# Altium PCB 16x16_ble.PcbDoc (continued)
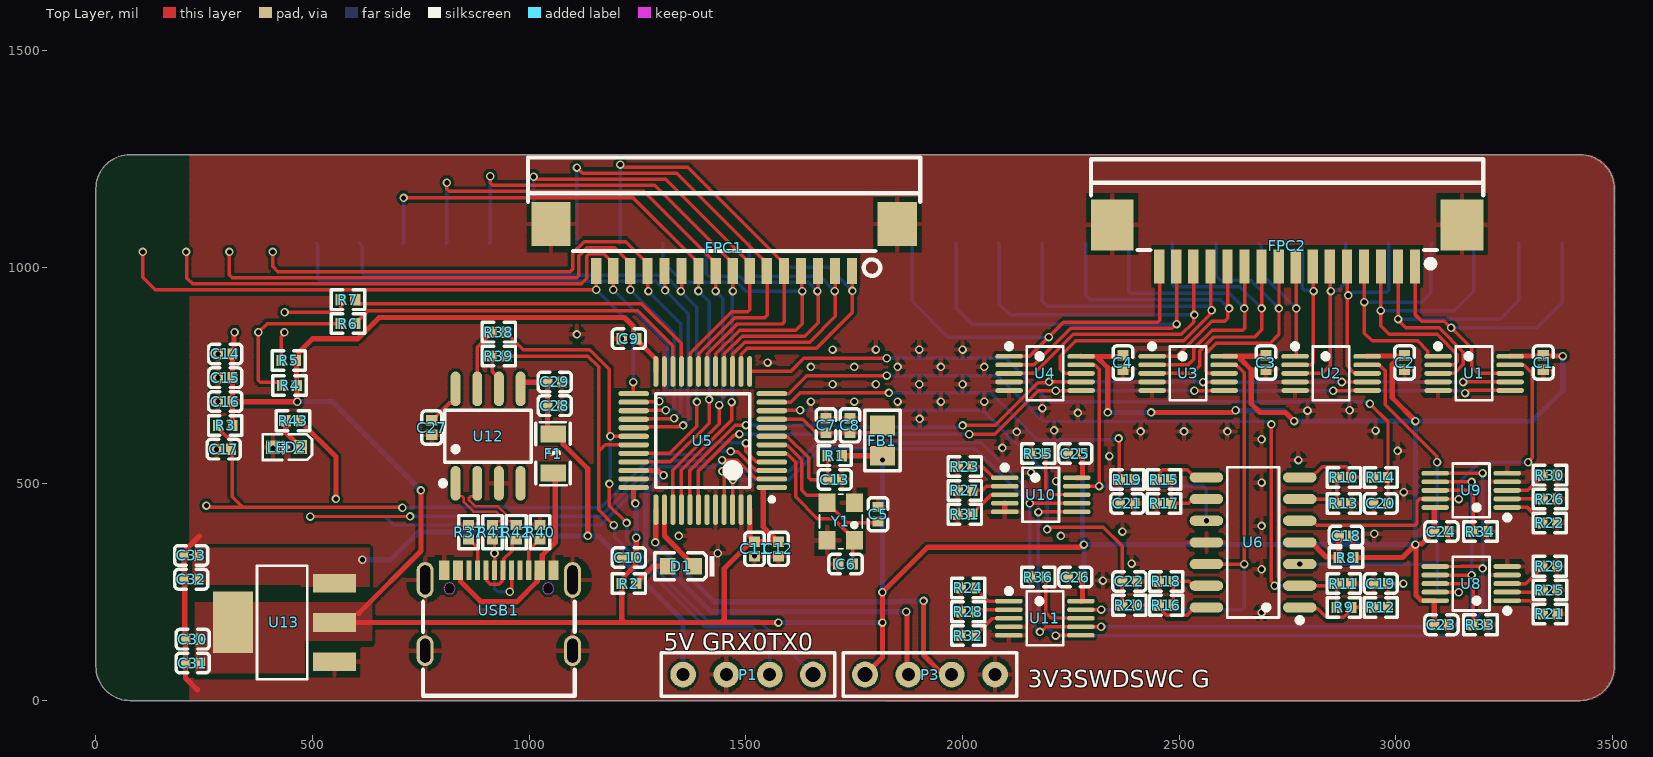
[diagram p0: Top Layer view]
## Nets (pads, with @x,y where several pads share a name; then routed paths per layer and width w, separated by ;. In a path a pad name is that pad's centre, name@x,y a point inside that pad or via, vN(x,y) a via of type N, cw(c..) or ccw(c..) an arc to the next point about the centre after c; other vN are vias at no path point)
ADC1: C22.2 R20.2 U5.10 | length 1153.9
  Top Layer w8: U5.10 1560.39,669.45 1624.45,669.45 v1(1625,670) ; v1(2195,395) 2198.16,395 2203.16,400 2325,400 2368.27,356.73 C22.2 R20.2
  Bottom Layer w8: v1(1625,670) 2047,670 2195,522 v1(2195,395)
ADC2: C21.2 R19.2 U5.11 | length 1006.1
  Top Layer w8: U5.11 1603.58,688.58 1625,710 v1(1830,710) ; v1(2360,605) 2361.63,603.37 2361.63,511.63 R19.2 C21.2
  Bottom Layer w8: v1(1830,710) 2065,710 2172.68,602.32 2349.47,602.32 2349.91,602.76 2357.76,602.76 v1(2360,605)
ADC3: C19.2 R12.2 U5.12 | length 1982.3
  Top Layer w8: U5.12 1560.06,708.48 1598.48,708.48 1640,750 v1(1825,750) ; v1(2712.5,637.5) 2712.5,275.53 2720,268.03 v1(2720,265) ; R12.2 C19.2 v1(3017.41,270)
  Bottom Layer w8: v1(1825,750) 2081.12,750 2187.12,644 2702.84,644 2709.34,637.5 v1(2712.5,637.5) ; v1(2720,265) 3011.84,265 3016.84,270 v1(3017.41,270)
ADC4: C20.2 R14.2 U5.13 | length 1734.8
  Top Layer w8: U5.13 1603.2,759.45 1633.75,790 v1(1825,790) ; v1(2940,685) 2981.73,643.27 R14.2 C20.2
  Bottom Layer w8: v1(1825,790) 2100,790 2200.16,689.84 2932,689.84 2936.84,685 v1(2940,685)
C1: FPC1.1 H2.1 U5.14 | length 612.3
  Top Layer w8: U5.14 1488.98,798.98 1503,813 1663,813 1745.94,895.94 v1(1745.94,945.38) FPC1.1@1745.94,1004.81
  Bottom Layer w8: H2.1@1601.97,1000.31 1691.01,1000.31 v1(1745.94,945.38)
C2: FPC1.2 H2.2 U5.15 | length 715.7
  Top Layer w8: U5.15 1470.02,760.18 1470.02,799.82 1497.2,827 1647,827 1706.57,886.57 1706.57,945 FPC1.2@1706.57,1004.81
  Bottom Layer w8: H2.2 1508.15,983.53 1512.84,978.84 1671.16,978.84 v1(1705,945)
C3: FPC1.3 H2.3 U5.16 | length 764.4
  Top Layer w8: U5.16 1450.33,760.18 1450.33,799.93 1491.4,841 1636,841 1667.2,872.2 1667.2,945 FPC1.3@1667.2,1004.81
  Bottom Layer w8: H2.3 1408.15,983.69 1412.84,979 1486,979 1500.16,964.84 1645.16,964.84 v1(1665,945)
C4: FPC1.4 H2.4 U5.17 | length 784
  Top Layer w8: U5.17 1430.65,760.18 1430.65,800.05 1485.6,855 1615,855 1630,870 v1(1630,945) 1628.51,946.49 1628.51,989.9 FPC1.4
  Bottom Layer w8: H2.4 1308.15,1012.68 1355.83,965 1480,965 1500,945 v1(1630,945)
C5: FPC1.5 H2.5 U5.18 | length 1052.4
  Top Layer w8: v1(1210,1236.84) 1213.16,1236.84 1219,1231 1365.76,1231 1587.66,1009.1 FPC1.5 ; U5.18 1410.96,760.18 1410.96,800.16 1479.8,869 1583.78,869 1588.46,873.69 FPC1.5@1588.46,1004.81
  Bottom Layer w8: H2.5 1210,1056.85 v1(1210,1236.84)
C6: FPC1.6 H2.6 U5.19 | length 1074.7
  Top Layer w8: v1(1110,1230) 1123,1217 1340.39,1217 1548.29,1009.1 FPC1.6 ; U5.19 1391.28,760.18 1391.28,800.28 1474.01,883 1543,883 1549.09,889.09 FPC1.6@1549.09,1004.81
  Bottom Layer w8: H2.6 1110,1056.85 v1(1110,1230)
C7: FPC1.7 H2.7 U5.20 | length 1064.9
  Top Layer w8: v1(1010,1208.84) 1013.16,1208.84 1019,1203 1315.02,1203 1508.92,1009.1 FPC1.7 1508.92,901.69 1504.23,897 1467,897 1371.59,801.59 1371.59,760.18 U5.20
  Bottom Layer w8: H2.7 1010,1056.85 v1(1010,1208.84)
C8: FPC1.8 H2.8 U5.40 | length 1438.7
  Top Layer w8: v1(910,1210) 910,1195 916,1189 1289.65,1189 1469.55,1009.1 FPC1.8 ; U5.40 1351.18,531.18 1466.87,646.87 v1(1466.87,688.81) ; v1(1470,945) 1470,991.03 1470.35,991.39 FPC1.8@1470.35,1004.81
  Bottom Layer w8: H2.8 910,1056.85 v1(910,1210) ; v1(1466.87,688.81) 1468.44,690.38 1468.44,943.44 v1(1470,945)
C9: FPC1.9 H2.9 U5.39 | length 1483.6
  Top Layer w8: v1(810,1195) 810,1180 815,1175 1264.28,1175 1430.18,1009.1 FPC1.9 ; U5.39 1331.5,531.5 1438.47,638.47 v1(1438.47,681.65) ; v1(1430,945) 1430,990.4 1430.98,991.39 FPC1.9@1430.98,1004.81
  Bottom Layer w8: H2.9 810,1056.85 v1(810,1195) ; v1(1430,945) 1446.56,928.44 1446.56,692.9 1438.47,684.81 v1(1438.47,681.65)
C10: FPC1.10 H2.10 U5.33 | length 1440.2
  Top Layer w8: v1(710,1160) 710.84,1160.84 1239.07,1160.84 1390.81,1009.1 FPC1.10 1390.61,991.18 1390.61,945.36 v1(1390.4,945.16) ; U5.33 1325.79,550.79 1415,640 v1(1415,695)
  Bottom Layer w8: H2.10 710,1056.85 v1(710,1160) ; v1(1390.4,945.16) 1415,920.56 v1(1415,695)
C11: FPC1.11 H2.11 U5.32 | length 1369.9
  Top Layer w8: U5.32 1324.51,570.47 1387.02,632.98 v1(1387.02,689.36) ; v1(1350,945) 1351.44,946.44 FPC1.11
  Bottom Layer w8: H2.11 615,1048.15 615,986.46 619.69,981.78 1313.22,981.78 v1(1350,945) 1387.02,907.98 v1(1387.02,689.36)
C12: FPC1.12 H2.12 U5.29 | length 1396.7
  Top Layer w8: U5.29 1271.5,629.53 1273.7,631.72 1343.83,631.72 1344.87,632.76 1352.76,632.76 v1(1355,635) ; FPC1.12 1312.8,990.65 1312.8,947.2 v1(1313.53,946.47)
  Bottom Layer w8: H2.12 512.22,1050.92 512.22,972.78 517.22,967.78 1292.22,967.78 v1(1313.53,946.47) 1367.18,892.82 1367.18,647.18 v1(1355,635)
C13: FPC1.13 H2.13 U5.28 | length 1464.2
  Top Layer w8: v1(408.15,1035.31) 408.15,1001.85 420.07,989.93 1094.84,989.93 1099.91,995 1099.91,1031.79 1127.04,1058.91 1222.89,1058.91 1272.7,1009.1 FPC1.13 1273.85,990.23 1273.85,946.15 v1(1275,945) ; U5.28 1241.55,649.81 1332.7,649.81 v1(1334.45,651.57)
  Bottom Layer w8: v1(1275,945) 1350,870 1350,667.21 1334.45,651.66 v1(1334.45,651.57)
C14: FPC1.14 H2.14 U5.27 | length 1521.6
  Top Layer w8: v1(308.15,1035.31) 308.15,982.78 315,975.93 1109.22,975.93 1113.91,980.62 1113.91,1025.99 1132.84,1044.91 1197.52,1044.91 1233.33,1009.1 FPC1.14 v1(1233.33,947.93) ; U5.27 1241.5,669.45 1314.45,669.45 v1(1315,670)
  Bottom Layer w8: v1(1233.33,947.93) 1334.12,847.14 1334.12,675.82 1329.44,671.13 1316.13,671.13 v1(1315,670)
C15: FPC1.15 H2.15 U5.26 | length 1556.1
  Top Layer w8: v1(208.15,1035.31) 210,1033.46 210,975 223.07,961.93 1119.71,961.93 1132.78,975 1132.78,1025.06 1138.63,1030.91 1172.15,1030.91 1193.96,1009.1 FPC1.15 v1(1193.96,947.93) ; U5.26 1241.67,689.31 1298.46,689.31 v1(1300,690.85)
  Bottom Layer w8: v1(1193.96,947.93) 1320,821.89 1320,710.89 v1@1300,690.89
C16: FPC1.16 H2.16 U5.25 | length 1435.8
  Top Layer w8: v1(108.15,1035.31) 108.15,976.85 137.07,947.93 v1(1154.59,947.93) FPC1.16 ; v1(1240,735) 1240,709.21 U5.25
  Bottom Layer w8: v1(1154.59,947.93) 1240,862.52 v1(1240,735)
C_A: U1.7 U2.7 U3.7 U4.7 U5.41 | length 2253.3
  Top Layer w8: U5.41 1370.87,530.87 1475.68,635.68 v1(1499.96,635.68) ; v1(2000,635) 2075.01,635 2173.75,733.73 2197.77,733.73 v1(2199.59,735.55) ; v1@2200,735 2200.42,735.42 2273.37,735.42 U4.7 ; v1(2555,735) 2555.15,735.15 2603.34,735.15 U3.7 ; v1(2875.15,735.15) 2933.34,735.15 U2.7 ; v1(3155.15,735.15) 3155.22,735.22 3263.27,735.22 3263.34,735.15 U1.7
  Bottom Layer w8: v1(1499.96,635.68) 1703.49,635.68 1708.86,630.31 1992.15,630.31 1996.84,635 v1(2000,635) ; v1(2199.59,735.55) 2199.86,735.27 2554.73,735.27 v1(2555,735) 2875,735 v1(2875.15,735.15) v1(3155.15,735.15)
C_B: U1.6 U2.6 U3.6 U4.6 U5.42 | length 2250.6
  Top Layer w8: U5.42 1390.55,530.55 1472.64,612.64 1482.67,612.64 v1(1484.91,614.87) ; v1(2015.49,614.51) 2074.32,614.51 2174.81,715 v1(2215,715) 2215.3,715.3 2273.19,715.3 U4.6 ; v1(2535,715) 2535.16,715.16 2603.05,715.16 U3.6 ; v1(2855,715) 2888.16,715 2888.76,715.6 U2.6 ; v1(3159.86,709.64) 3163.02,709.64 3168.99,715.6 U1.6
  Bottom Layer w8: v1(1484.91,614.87) 1485.27,614.51 v1(2015.49,614.51) ; v1(2215,715) v1(2535,715) v1(2855,715) 3151.34,715 3156.7,709.64 v1(3159.86,709.64)
CH340_N: R42.1 U12.2 | length 189.6
  Top Layer w6: U12.2 880,479.1 872.33,471.44 864.52,471.44 861,467.92 861,462.95 875.86,448.09 928.07,448.09 948.5,427.66 948.5,417.72 952.01,414.2 961.19,414.2 R42.1
CH340_P: R41.1 U12.1 | length 189.6
  Top Layer w6: U12.1 830,479.1 837.67,471.44 845.49,471.44 849,467.92 849,457.98 870.89,436.09 923.1,436.09 936.5,422.69 936.5,417.72 932.99,414.2 923.81,414.2 R41.1
GND: BLT1.1 C1.2 C2.2 C3.2 C4.2 C5.2 C6.2 C7.1 C8.2 C9.2 C10.2 C11.2 C12.2 C13.2 C14.1 C15.1 C16.1 C17.1 C18.2 C19.1 C20.1 C21.1 C22.1 C23.2 C24.2 C25.2 C26.2 C27.2 C28.1 C29.1 C30.1 C31.1 C32.1 C33.1 FPC1.17 FPC1.18 FPC2.17 FPC2.18 LED2.2 P1.2 P3.1 R11.1 R13.1 R17.1 R18.1 R21.1 R22.1 R23.1 R24.1 R25.2 R26.2 R27.2 R28.2 R29.2 R30.2 R31.2 R32.2 R33.2 R34.2 R35.2 R36.2 R37.2 R40.2 U1.4 U1.5 U2.4 U2.5 U3.4 U3.5 U4.4 U4.5 U5.8 U5.23 U5.35 U5.44 U5.47 U6.11 U8.4 U8.5 U9.4 U9.5 U10.4 U10.5 U11.4 U11.5 U12.3 U13.1 USB1.1 USB1.2 USB1.3 USB1.4 USB1.A1B12 USB1.B1A12 Y1.2 Y1.4 | length 402.2
  Top Layer w12: 234,25 206.81,52.19 C31.1 C30.1 205.04,143.35 205.04,278.23 C32.1 C33.1 209.08,340.81 209.08,350.08 239,380 ; U10.5 U10.4
  other v1: 2690,203 2324,277 2690,303 2390,316 1520,333.27 1435,340 1345,380 2227,380.16 2950,385 2369,390 2690,403 3018,481 2690,503 2216,506 2158,526 2775,555 2339,564 3004,576 278.27,580 408.55,582.31 2092,583 2690,603 2125.04,620.02 2411,621 2511,621 2611,621 2953,623 2211.16,623.53 1901,650.16 2266,663.84 2796,669 2893,670 2184.09,675.09 281.54,690 1650,690 1750,690 1850,690 1950,690 2050,690 1700,730 1800,730 1900,730 2000,730 281.54,745 1650,770 1750,770 1850,770 1950,770 2050,770 1550,780 281.54,800 1700,810 1800,810 1900,810 2000,810 1213.27,835 1110,845
HC04_KEY-: BLT1.12 U5.3 | length 1145.7
  Top Layer w8: v1(494.53,424.53) 494.76,424.76 724.76,424.76 v1(725,425) ; v1(1465,574.84) 1465.6,574.25 1480.75,574.25 1523.17,531.83 1559.11,531.83 U5.3
  Bottom Layer w8: v1(725,425) 725.16,425.16 1165.16,425.16 1293.84,553.84 1413.84,553.84 1434.84,574.84 v1(1465,574.84)
HC04_RESET: BLT1.16 C17.2 R3.1 U5.4 | length 1613.5
  Top Layer w8: v1(255,450) 257.24,447.76 263.5,447.76 265.53,445.73 339.26,445.73 ; R3.1 289.35,627.19 289.35,621.91 311.14,600.11 311.14,580.59 C17.2 ; C17.2@314.23,582.5 314.23,470.77 339.26,445.73 ; v1(707.22,445) 706.49,445.73 339.26,445.73 ; v1(1500,594.09) 1500,575 1523.48,551.52 1559.11,551.52 U5.4
  Bottom Layer w8: v1(707.22,445) 732.5,445 733.24,445.73 948.85,445.73 949.59,445 1165.2,445 1288.04,567.84 1405,567.84 1431.84,594.68 1499.4,594.68 v1(1500,594.09)
HC04_RXD: BLT1.4 R5.1 R7.2 | length 223.4
  Top Layer w8: R5.1 428.27,840.11 435,846.84 v1(435,850) ; v1(435.47,896.22) 560.31,896.22 565,900.91 R7.2
HC04_STA: BLT1.9 U5.2 | length 978.5
  Top Layer w8: v1(1445,555) 1480,555 1522.85,512.15 1559.11,512.15 U5.2
  Bottom Layer w8: BLT1.9 671.69,420.84 687.38,405.16 1164.96,405.16 1182.3,422.5 1182.5,422.5 1299.84,539.84 1428.13,539.84 1443.29,555 v1(1445,555)
HC04_TXD: BLT1.3 R4.1 R6.2 | length 369
  Top Layer w8: R4.1 422.82,734.62 379.69,734.62 375,739.3 v1(375,850) 395,870 R6.2
IN_CH1+: U1.9 U6.5 U9.9 | length 911.1
  Top Layer w8: U6.5 2807.44,415 2817.44,405 3043.98,405 3048.66,409.69 3048.66,458.66 3055.3,465.3 U9.9 3090.71,465.15 3144.85,465.15 v1(3145,465) ; U1.9 3264.07,774.13 3295.87,774.13 3315,755 3315,560.53 3305,550.53 v1(3305,550)
  Bottom Layer w8: v1(3145,465) 3145,502.92 3192.08,550 v1(3305,550)
IN_CH2+: U2.9 U6.3 U8.9 | length 1027.2
  Top Layer w8: U2.9 2960.71,774.7 2964.91,770.5 2966.31,770.5 2975.39,761.42 2975.39,682.86 3094.18,564.07 3094.18,550.82 v1(3095,550) ; U8.9 3090.71,250.15 3144.85,250.15 v1(3145,250)
  Bottom Layer w8: v1(2778.02,315) 3095,315 ; v1(3095,550) 3095,315 ; v1(3145,250) 3099.69,250 3095,254.69 3095,315
IN_CH3+: U3.9 U6.12 U11.9 | length 1062.1
  Top Layer w8: U11.9 2273.25,209.85 2319.85,209.85 v1(2320,210) ; U6.12 v1(2650,315) 2650,756.81 2636.31,770.5 2634.91,770.5 2630.71,774.7 U3.9
  Bottom Layer w8: v1(2320,210) 2645,210 2650,215 v1(2650,315)
IN_CH4+: U4.9 U6.10 U10.9 | length 691.1
  Top Layer w8: U10.9 2263.64,494.85 2314.85,494.85 v1(2315,495) 2315,708.79 2315.39,709.18 2315.39,764.92 2306.19,774.13 2274.07,774.13 U4.9
  Bottom Layer w8: v1(2315,495) 2555.31,495 2562.76,487.55 v1(2562.76,415)
LED_GREEN: D1.K U5.38 | length 159
  Top Layer w12: U5.38 1311.81,379.49 1380.31,310.98 D1.K
M_A: U5.46 U8.7 U9.7 U10.7 U11.7 | length 2731.3
  Top Layer w8: U5.46 1469.65,440.91 1469.65,509.13 v1(1470,509.48) ; v1(2155,455) 2155.15,455.15 2263.34,455.15 U10.7 ; v1(2178.47,158.47) 2181.63,158.47 2193.31,170.15 2272.95,170.15 U11.7 v1(2319.7,170.3) ; U8.7 v1(3174.7,289.7) v1@3175,290 ; U9.7 3090.63,504.63 3174.63,504.63 v1(3174.7,504.56)
  Bottom Layer w8: v1(1470,509.48) 1599.48,509.48 1670.67,580.67 2029.33,580.67 v1(2155,455) 2155,181.94 v1(2178.47,158.47) ; v1(2319.7,170.3) 3134.7,170.3 3174.7,210.3 v1(3174.7,289.7) v1(3174.7,504.56)
M_B: U5.45 U8.6 U9.6 U10.6 U11.6 | length 2926.9
  Top Layer w8: v1(1445.68,529.32) 1445.68,526.16 1449.61,522.23 U5.45 ; v1(2175,435) 2175.3,435.3 2263.19,435.3 U10.6 ; v1(2215,150) 2215.3,150.3 2272.8,150.3 U11.6 ; U8.6 3150.56,309.4 3150.7,309.54 3195.46,309.54 v1(3200,305) ; U9.6 3199.4,524.4 v1(3200,525)
  Bottom Layer w8: v1(1445.68,529.32) 1599.52,529.32 1664.87,594.67 2043.39,594.67 2175,463.06 v1(2175,435) 2175,190 v1(2215,150) 3145,150 3200,205 v1(3200,305) v1(3200,525)
NetBLT1_11: BLT1.11 R43.2 | length 214.2
  Top Layer w12: R43.2 471.75,644.76 553.83,562.68 v1(553.83,465.58)
NetC7_2: C7.2 C8.1 FB1.2 U5.9 | length 274.9
  Top Layer w8: U5.9 1631.42,649.21 1662.36,618.27 C7.2 C8.1 1798.23,618.27 FB1.2
NetC13_1: C13.1 R1.1 U5.7 | length 251.3
  Top Layer w8: U5.7 1560.57,609.11 1595.69,609.11 1644.8,560 1644.8,514.69 1649.49,510 C13.1 R1.1
NetC18_1: C18.1 R8.2 U6.4 | length 151.6
  Top Layer w12: U6.4 2805.04,365 2838.46,331.58 2866.68,331.58 2868.27,333.17 C18.1
NetC27_1: C27.1 U12.8 | length 99.6
  Top Layer w8: C27.1 775.98,646.73 817.05,687.8 823.26,687.8 830,694.54 U12.8
NetD1_A: D1.A R2.2 | length 90.1
  Top Layer w12: R2.2 1246.73,270.98 1285.75,310 D1.A
NetF1_2: F1.2 USB1.A4B9 USB1.B4A9 | length 507.2
  Top Layer w12: USB1.A4B9 841.2,295.2 841.2,275.28 888.32,228.16 971.48,228.16 1018.6,275.28 1018.6,295.2 1030.2,306.8 1030.2,335.2 1060,365 1060,511.33 F1.2@1069.4,511.33
NetLED2_1: LED2.1 R43.1 | length 74.4
  Top Layer w12: R43.1 438.28,618.33 LED2.1
NetR9_1: R9.1 R11.2 U6.2 | length 142.3
  Top Layer w8: U6.2 2858.27,265 R11.2 R9.1
NetR9_2: R9.2 R12.1 U6.1 | length 192.2
  Top Layer w8: U6.1 2780.88,212.14 2819.72,212.14 2839.66,192.2 2879.22,192.2 2888.92,201.9 2888.92,207.19 R9.2 R12.1
NetR10_1: R10.1 R13.2 U6.6 | length 149
  Top Layer w8: U6.6 2854.25,465 R13.2@2863.27,455.98 ; R13.2 R13.2@2863.27,455.98 ; R10.1 R13.2@2863.27,455.98
NetR10_2: R10.2 R14.1 U6.7 | length 198.7
  Top Layer w8: U6.7 2805.04,515 2829.84,539.8 2885.52,539.8 2890.2,535.11 2890.2,521.53 R10.2 R14.1
NetR15_1: R15.1 R17.2 U6.9 | length 140.2
  Top Layer w8: R15.1 R17.2 2521.57,455 2531.57,465 U6.9
NetR15_2: R15.2 R19.1 U6.8 | length 188.9
  Top Layer w8: R19.1 R15.2 2455.89,517.62 2455.89,527.95 2460.74,532.8 2497.69,532.8 2497.84,532.64 2518.11,532.64 2535.75,515 U6.8
NetR16_1: R16.1 R18.2 U6.13 | length 135.2
  Top Layer w8: R16.1 R18.2 2521.57,275 2531.57,265 U6.13
NetR16_2: R16.2 R20.1 U6.14 | length 181
  Top Layer w8: R20.1 R16.2 2461.08,212.19 2461.08,206.81 2470.69,197.2 2517.95,197.2 2535.75,215 U6.14
NetR21_2: R21.2 U8.1 | length 95.2
  Top Layer w8: U8.1 3309.05,230.6 3338.66,200.98 R21.2
NetR22_2: R22.2 U9.1 | length 96.8
  Top Layer w8: U9.1 3303.65,445.6 3338.27,410.98 R22.2
NetR23_2: R23.2 U10.1 | length 85.8
  Top Layer w8: R23.2 2045.94,540 2071.54,514.4 U10.1
NetR24_2: R24.2 U11.1 | length 98.5
  Top Layer w8: R24.2@2035.21,254.4 R24.2 2029.61,259.02 2059.22,229.4 U11.1
NetR25_1: R25.1 U8.2 | length 83.8
  Top Layer w8: U8.2 3333.96,250.3 R25.1
NetR26_1: R26.1 U9.2 | length 82
  Top Layer w8: U9.2 3338.36,465.3 R26.1
NetR27_1: R27.1 U10.2 | length 79.2
  Top Layer w8: R27.1 2045.94,485 2055.06,494.13 2096.72,494.13 U10.2
NetR28_1: R28.1 U11.2 | length 78.8
  Top Layer w8: R28.1 2034.7,209.7 U11.2
NetR29_1: R29.1 U8.3 | length 98.7
  Top Layer w8: U8.3 3299.25,270 3338.27,309.02 R29.1
NetR30_1: R30.1 U9.3 | length 97
  Top Layer w8: U9.3 3304.65,485 3330.85,511.2 3338.66,519.02 R30.1
NetR31_1: R31.1 U10.3 | length 94.4
  Top Layer w8: R31.1 2022.13,430.98 2065.57,474.43 2096.72,474.43 U10.3
NetR32_1: R32.1 U11.3 | length 94
  Top Layer w8: R32.1 2030,150.98 2068.44,189.43 2106.33,189.43 U11.3
NetR33_1: R33.1 U8.8 | length 174.9
  Top Layer w8: U8.8 3165,270 3178.27,256.73 R33.1
NetR34_1: R34.1 U9.8 | length 174.9
  Top Layer w8: U9.8 3165,485 3178.27,471.73 R34.1
NetR35_1: R35.1 U10.8 | length 159
  Top Layer w8: R35.1 2191.73,488.27 2204.43,475.57 2262.92,475.57 U10.8
NetR36_1: R36.1 U11.8 | length 168.6
  Top Layer w8: R36.1 2191.73,203.27 2204.43,190.57 2272.53,190.57 U11.8
NetR37_1: R37.1 USB1.A5 | length 80.1
  Top Layer w8: R37.1 860.98,371.93 880.7,352.21 USB1.A5
NetR38_1: R38.1 U12.7 | length 144.4
  Top Layer w8: U12.7 880,815.75 913.27,849.02 R38.1
NetR39_1: R39.1 U12.6 | length 82.6
  Top Layer w8: R39.1 914.18,794.09 914.18,760 930,744.18 U12.6
NetR40_1: R40.1 USB1.B5 | length 82.4
  Top Layer w8: USB1.B5 998.8,346.71 1024.02,371.93 R40.1
NetR41_2: R41.2 USB1.A6 USB1.B6 | length 248.8
  Top Layer w8: R41.2@915.98,371.93 R41.2 919.86,367.07 v1(919.86,340) v1@917.62,342.24 ; v1@919.98,339.98 919.98,301.12 USB1.A6 ; v1(955,251) 955,254.16 959.4,258.56 USB1.B6
  Bottom Layer w8: v1(919.86,340) 919.86,258.3 927.16,251 v1(955,251)
NetR42_2: R42.2 USB1.A7 USB1.B7 | length 178.4
  Top Layer w8: USB1.B7 902.3,299.1 902.3,276.11 910.06,268.35 930.14,268.35 937.8,276.01 937.8,299.1 USB1.A7 941.6,302.9 941.6,326.92 959.68,345 961.2,346.53 961.2,364.12 969.02,371.93 R42.2 R42.2@970.98,371.93
OSC_IN: C6.1 U5.5 Y1.1 | length 378.2
  Top Layer w8: U5.5 1560.57,569.74 1595.26,569.74 1615,550 1615,470 1665,420 1702.33,420 1726.33,396 1726.44,396 1750.47,371.97 Y1.1 1746.73,366.26 C6.1
OSC_OUT: C5.1 U5.6 Y1.3 | length 364.4
  Top Layer w8: U5.6 1560.57,589.43 1595.57,589.43 1629,556 1629,486 1640.73,474.27 1671.8,474.27 1687.48,458.58 1687.48,454.65 1703.17,438.96 1705.13,438.96 1734.09,410 1801.73,410 C5.1
PA9(USART0_TXD): P1.4 R38.2 U5.30 | length 1302
  Top Layer w8: R38.2 946.73,849.02 985.75,810 1140,810 1185,765 1185,620.53 1185.11,620.42 1185.11,612.24 v1(1187.34,610) ; v1(1185,500) 1185,449.89 v1(1224.89,410) ; v1@1185.08,609.92 1240.87,609.92 U5.30
  Bottom Layer w8: v1(1185,500) 1187.34,502.34 v1(1187.34,610) ; v1(1224.89,410) 1224.89,369.91 1410.8,184 1531,184 P1.4
PA10(USART0_RXD): P1.3 R39.2 U5.31 | length 1248.9
  Top Layer w8: R39.2 1135,795 1160,770 1160,575 ; v1(1195,405) 1160,440 1160,575 ; U5.31 1175.16,590.16 1160,575
  Bottom Layer w8: v1(1195,405) 1196.84,403.16 1196.84,378.16 1405,170 1515,170 1555,130 P1.3
PB10(USART2_TX): R7.1 U5.21 | length 859.6
  Top Layer w8: R7.1 598.46,924.02 606.28,916.2 1258.8,916.2 1350.45,824.55 1350.45,760.18 U5.21
PB11(USART2_RX): R6.1 U5.22 | length 838.8
  Top Layer w8: R6.1 598.46,870.98 606.28,878.8 607.26,878.8 628.46,900 1250,900 1331.5,818.5 U5.22
R1: FPC2.1 H1.1 U1.8 | length 818.4
  Top Layer w8: FPC2.1@3045.14,991.39 3045.14,889.86 3060,875 3111.35,875 3126.03,860.32 v1(3127.56,860.32) ; v1@3126.1,858.86 3129.02,858.86 3175.26,812.62 3175.26,769.74 3190,755 U1.8
  Bottom Layer w8: v1(3127.56,860.32) 3325.32,860.32 3383.74,918.74 H1.1
R2: FPC2.2 H1.2 U1.3 | length 817.9
  Top Layer w8: v1(3005,880.16) 3005,878.16 3023.16,860 3099.81,860 3155.69,804.13 3155.69,775.89 3135.37,755.57 3097.87,755.57 U1.3 ; v1@3005.77,880.16 FPC2.2@3005.77,991.39
  Bottom Layer w8: v1(3005,880.16) 3240.16,880.16 3283.74,923.74 H1.2
R3: FPC2.4 H1.4 U1.1 | length 619.9
  Top Layer w8: FPC2.4@2927.03,991.39 v1(2927.03,919.68) 2927.03,847.97 2945,830 3050,830 3073.87,806.13 3073.87,795.79 3075.26,794.4 U1.1
  Bottom Layer w8: v1(2927.03,919.68) 3059.68,919.68 3080,940 3080,1051.26 H1.4
R4: FPC2.3 H1.3 U1.2 | length 738.7
  Top Layer w8: FPC2.3@2965,989.99 2965.3,989.69 2965.3,900.3 2965,900 2965,865 2984.99,845.01 3095.01,845.01 3141.69,798.33 3141.69,781.69 3134.7,774.7 U1.2
  Bottom Layer w8: v1(2965,899.84) 2965.16,900 3135,900 3180,945 3180,1051.26 H1.3
R5: FPC2.5 H1.5 U2.8 | length 479
  Top Layer w8: FPC2.5@2887.66,991.39 2887.66,772.22 2904.3,755.57 2932.92,755.57 U2.8
  Bottom Layer w8: v1(2890,935) 2893.16,935 2900.16,942 2979.05,942 2983.74,946.69 H1.5
R6: FPC2.6 H1.6 U2.3 | length 439.4
  Top Layer w8: U2.3 2830,755 2848.29,773.29 FPC2.6@2848.29,991.39
  Bottom Layer w8: v1(2850,945) 2852.24,947.24 2867.24,947.24 2883.74,963.74 H1.6
R7: FPC2.8 H1.8 U2.1 | length 384.2
  Top Layer w8: U2.1 2768.16,794.4 2769.55,795.79 FPC2.8@2769.55,991.39
  Bottom Layer w8: H1.8 2689.72,1049.03 2689.72,985.28 v1(2770,905)
R8: FPC2.7 H1.7 U2.2 | length 389.1
  Top Layer w8: U2.2 2805.01,774.7 2809.7,779.39 2809.7,990.6 FPC2.7@2808.92,991.39
  Bottom Layer w8: H1.7 2783.74,951.53 2788.43,946.84 2808.16,946.84 v1(2810,945)
R9: FPC2.9 H1.9 U3.8 | length 669.7
  Top Layer w8: U3.8 2566.28,755 2561.59,759.69 2561.59,800.82 2585.77,825 2710,825 2730.18,845.18 FPC2.9@2730.18,991.39
  Bottom Layer w8: H1.9 2585,1053.74 2585,980 2595,970 2665,970 v1(2730,905)
R10: FPC2.10 H1.10 U3.3 | length 774.3
  Top Layer w8: U3.3 2530.31,755 2547.59,772.28 2547.59,806.62 2579.97,839 2674,839 2690.81,855.81 FPC2.10@2690.81,991.39
  Bottom Layer w8: H1.10 2483.74,961.26 2490,955 2640,955 v1(2690,905)
R11: FPC2.12 H1.12 U3.1 | length 783.4
  Top Layer w8: U3.1 2494.4,794.4 2575,875 2605,875 2612.07,882.07 FPC2.12@2612.07,991.39
  Bottom Layer w8: H1.12 2283.74,936.26 2295,925 2595,925 v1(2615,905)
R12: FPC2.11 H1.11 U3.2 | length 788.4
  Top Layer w8: U3.2 2520.31,774.7 2533.59,787.98 2533.59,812.42 2576.18,855 2646.75,855 2651.44,859.69 FPC2.11@2651.44,991.39
  Bottom Layer w8: H1.11 2383.74,944.69 2388.43,940 2615,940 v1(2650,905)
R13: FPC2.13 H1.13 U4.8 | length 1103.8
  Top Layer w8: U4.8 2272.92,755.57 2234.43,755.57 2225,765 2225,794.23 2260.77,830 2510,830 2570.35,890.35 2570.35,893.31 2574.74,897.69 v1(2574.74,900.86) ; v1@2572.7,900.86 FPC2.13@2572.7,991.39
  Bottom Layer w8: H1.13 2183.74,921.26 2195,910 2566.84,910 2574.74,902.1 v1(2574.74,900.86)
R14: FPC2.14 H1.14 U4.3 | length 1194
  Top Layer w8: U4.3 2165,755 2255,845 2505,845 2533.33,873.33 FPC2.14@2533.33,991.39
  Bottom Layer w8: H1.14 2085,1053.74 2085,915 2110,890 v1(2535,890)
R15: FPC2.16 H1.16 U4.1 | length 978.5
  Top Layer w8: U4.1 2154.4,794.4 2233,873 2449.9,873 2454.59,877.69 FPC2.16@2454.59,991.39
  Bottom Layer w8: H1.16 1883.74,921.26 1966.1,838.9 v1(2198.9,838.9)
R16: FPC2.15 H1.15 U4.2 | length 1222.5
  Top Layer w8: U4.2 2164.9,774.7 2249.2,859 2484,859 v1(2493.96,868.96) FPC2.15@2493.96,991.39
  Bottom Layer w8: H1.15 1985,1053.74 1985,905 2021.04,868.96 v1(2493.96,868.96)
SWCLK: P3.2 U5.37 | length 961.9
  Top Layer w12: v1(1290.7,364.94) 1292.03,366.27 1292.03,440.46 U5.37 ; v1(1910,230) 1910,105 1946,69 1966,69 P3.2
  Bottom Layer w12: v1(1290.7,364.94) 1290.7,364.3 1426.84,228.16 1856.02,228.16 1857.86,230 v1(1910,230)
SWDIO: P3.3 U5.34 | length 1066.3
  Top Layer w12: U5.34@1240.67,530.83 U5.34 1296.82,531.1 1307.92,520 v1(1310,520) ; v1(1870,205) 1871.47,203.53 1871.47,63.53 P3.3
  Bottom Layer w12: v1(1310,520) 1268.93,478.93 1268.93,366.73 1268.86,366.65 1268.86,355.25 1419.11,205 v1(1870,205)
VCC_3V3: BLT1.2 C1.1 C2.1 C3.1 C4.1 C9.1 C10.1 C11.1 C12.1 C14.2 C15.2 C16.2 C23.1 C24.1 C25.1 C26.1 C30.2 C31.2 FB1.1 P3.4 R1.2 R2.1 R3.2 R4.2 R5.2 R8.1 U1.10 U2.10 U3.10 U4.10 U5.1 U5.24 U5.36 U5.48 U8.10 U9.10 U10.10 U11.10 U13.2 U13.4 | length 9422.2
  Top Layer w12: R3.2 C16.2 ; v1(320,850) 318.53,848.53 318.53,803.53 C14.2 C15.2 C16.2 ; v1(464.79,689.6) v1@464.59,689.8 ; U13.2@585,180 1220.3,180 ; 606.42,201.42 750,345 v1(750,485) ; v1(1245,455) 1245,457.08 1240.95,461.13 U5.36 1246.64,491.73 U5.36@1246.73,491.64 ; C10.1@1246.22,330 1246.22,314.2 1219.08,287.06 1219.08,275.81 R2.1 1213.27,187.03 1220.3,180 ; C10.1 1246.91,330.18 1246.91,375.59 v1(1247.09,375.77) ; U5.24 1292.13,788.79 1292.03,788.88 1291.87,788.88 1246.73,834.02 C9.1 1240.92,840.81 1240.92,863.08 1220,884 654.04,884 605.04,835 500,835 467.54,802.54 467.54,790.81 R5.2 462.64,784.09 462.64,728.27 R4.2 464.17,726.74 464.17,690.22 v1@464.59,689.8 ; U5.48 1508.66,379.57 1513.2,375.03 C11.1@1513.2,372.54 ; U5.1 1540.09,491.73 1540,491.64 1540,400.75 1574.02,366.73 C11.1 1514.19,360.92 1506.08,360.92 1450,304.84 1450,187.03 1442.97,180 ; v1(1575,180) 1442.97,180 ; R1.2 1805,565 v1(1815,555) ; P3.4 1815,100 v1(1815,180) v1(1815,250) 1919,354 2271.92,354 2277.92,360 v1(2280,360) ; U10.10 2276.23,514.4 2276.73,514.9 v1(2276.73,570) ; U11.10 2276.23,229.4 2276.73,229.9 v1(2276.73,285) ; U4.10 2273.99,793.9 2309.04,793.9 ; v1(2335,665) 2335,767.94 2309.04,793.9 ; C4.1 2367.17,793.9 2309.04,793.9 ; v1(2435,665) 2622.92,665 2627.92,670 v1(2630,670) ; U3.10 2640,794.4 ; C3.1 2698.17,794.9 2677.36,794.9 2676.86,794.4 2640,794.4 ; v1(2765,645) 2745,665 2686,665 2666,685 2666,763.44 2640,789.44 2640,794.4 ; R8.1 3015,330 v1(3045,360) ; U2.10 2933.99,794.9 C2.1@3018.17,794.9 ; C2.1 C2.1@3018.17,794.9 ; v1(3045,645) 2991.39,698.61 2991.39,776.24 3006.08,790.92 3014.19,790.92 C2.1@3018.17,794.9 ; C23.1 3088.27,230.1 3088.77,230.6 U8.10 3090.06,231.1 3058.61,231.1 3046.66,243.05 3046.66,356.26 3045,357.92 v1(3045,360) ; U9.10 3088.77,445.6 3088.27,445.1 C24.1 3088.27,389.02 3082.46,383.2 3081.47,383.2 3059.74,361.47 3046.47,361.47 v1(3045,360) ; U1.10 3263.99,794.9 3338.17,794.9 3338.27,795 v1(3385,795) ; C16.2 315.2,689.8 v1@464.59,689.8 ; 1220.3,180 1442.97,180
  Bottom Layer w12: v1@464.39,690 v1(464.79,689.6) 465.19,690 545,690 v1(750,485) ; v1(1245,455) 1246.47,453.53 1246.47,448.1 1247.09,447.48 v1(1247.09,375.77) ; v1(1575,180) v1(1815,180) ; v1(1815,250) v1(1815,555) ; v1(2276.73,285) 2276.73,287.08 2280,290.35 v1(2280,360) v1(3045,360) v1(3045,645) ; v1@2276.73,365.35 v1(2276.73,570) ; v1(2335,665) v1(2435,665) ; v1(2630,670) 2631,669 2741,669 v1(2765,645) v1(3045,645) ; v1(3385,795) 3385,715 3315,645 v1(3045,645)
VCC_5V: C28.2 C29.2 C32.2 C33.2 F1.1 P1.1 U12.5 U13.3 | length 1450
  Top Layer w12: U12.5 980,729.51 984.9,734.41 C29.2@1042.01,734.41 ; C29.2 C29.2@1042.01,734.41 ; v1(1135,380) 1135,534.98 1078.53,591.45 1078.53,601.29 1064.84,614.98 F1.1 1042.01,627.97 C28.2 C29.2@1042.01,734.41
  Bottom Layer w12: v1(615,325) 680,325 744.16,389.16 933.96,389.16 943.12,380 1160,380 1355,185 P1.1
pads on no net: BLT1.5 BLT1.6 BLT1.7 BLT1.8 BLT1.10 BLT1.13 BLT1.14 BLT1.15 U5.43 U12.4 USB1.A8 USB1.B8

## Polygon pours and split planes (outlines as drawn)
GND on Top Layer "GND_L01_P023" (hatched Horizontal grid 5 track 7, remove dead copper, pour order 23): 78.74,0 cw(c78.74,78.74) 0,78.74 0,1181.1 cw(c78.74,1181.1) 78.74,1259.84 3425.2,1259.84 cw(c3425.2,1181.1) 3503.94,1181.1 3503.94,78.74 cw(c3425.2,78.74) 3425.2,0
VCC_3V3 on Top Layer "VCC_3V3_L01_P021" (hatched Horizontal grid 5 track 6, remove dead copper, pour order 21): 230,225 230,60 480,60 480,135 635,135 635,225 420,225
VCC_5V on Top Layer "VCC_5V_L01_P020" (hatched Horizontal grid 5 track 6, remove dead copper, pour order 20): 225,350 225,265 475,265 475,260 630,260 630,350 325,350
GND on Bottom Layer "GND_L02_P022" (hatched Horizontal grid 5 track 7, remove dead copper, pour order 22): 78.74,0 cw(c78.74,78.74) 0,78.74 0,1181.1 cw(c78.74,1181.1) 78.74,1259.84 3425.2,1259.84 cw(c3425.2,1181.1) 3503.94,1181.1 3503.94,78.74 cw(c3425.2,78.74) 3425.2,0

## Other copper
Top Layer:
  pour cut-out: -41.96,-5 215,-5 215,1275 -35,1275
Bottom Layer:
  pour cut-out: -41.93,0 215,0 215,1275 -35,1275

## Silkscreen, mask and mechanical layers (free items; w line width, h text height)
Top Overlay:
  text "5V GRX0TX0" at 1310.91,115.91 h39.37
  text "3V3SWDSWC G" at 2150.91,30.91 h39.37
Bottom Overlay:
  lines w5: 246.09,343.36 257.72,354.64 ; 257.72,331 257.72,354.64 ; 269,343 257.72,354.64 ; 365.72,977.64 377,966 ; 377,989.64 377,966 ; 388.64,977.28 377,966 ; 424.72,976.64 436,965 ; 436,988.64 436,965 ; 447.64,976.28 436,965 ; 485.36,343.72 497,355 ; 497,331.36 497,355 ; 508.28,343.36 497,355 ; 544.36,343.72 556,355 ; 556,331.36 556,355 ; 567.28,343.36 556,355 ; 661.36,340.72 673,352 ; 673,328.36 673,352 ; 684.28,340.36 673,352
Mechanical 1:
  the board outline again, w10